# Altium PCB WL-MAIN.PcbDoc (part 2 of 4) (continued)
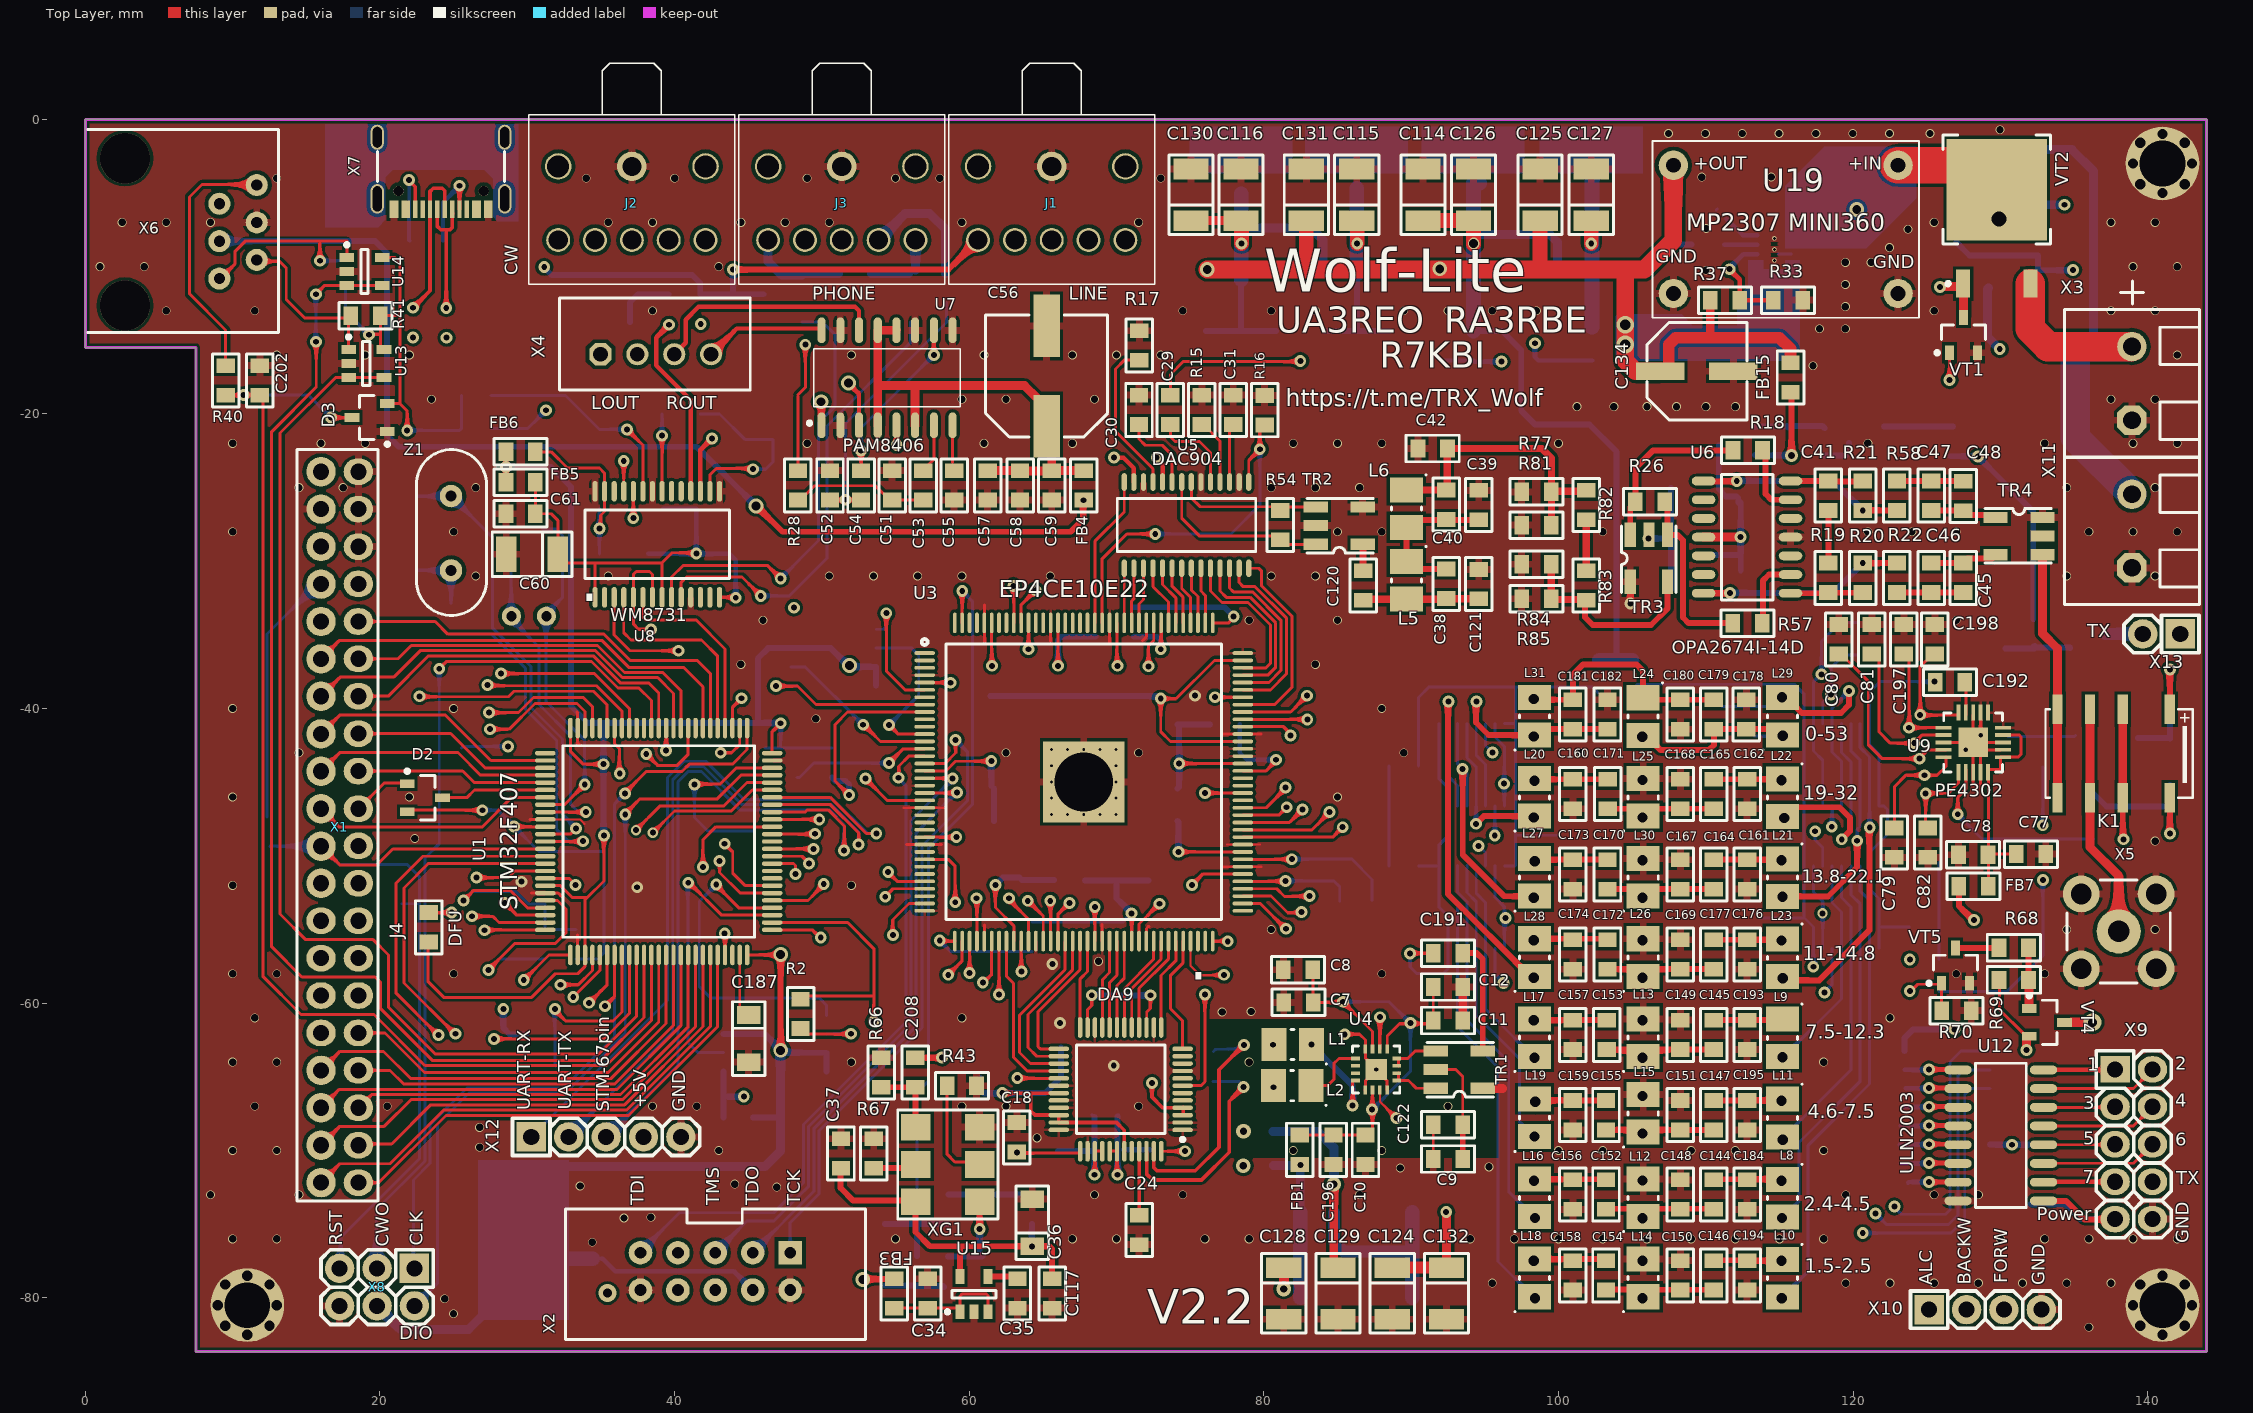
[diagram p0: Top Layer view]
## Nets (pads, with @x,y where several pads share a name; then routed paths per layer and width w, separated by ;. In a path a pad name is that pad's centre, name@x,y a point inside that pad or via, vN(x,y) a via of type N, cw(c..) or ccw(c..) an arc to the next point about the centre after c; other vN are vias at no path point) (continued)
  Layer 3 w0.2: v1(29.76,-58.435) 30.619,-57.575 58.075,-57.575 v1(58.575,-58.075)
FPGA_BUS_D4: U1.29 U3.39 | length 34.4
  Top Layer w0.2: v1(32.25,-58.75) 33.455,-58.75 34.425,-57.78 U1.29@34.425,-56.725 ; v1(60.025,-57.95) v1@60.025,-58.125 ; U3.39@60.025,-55.782 v1@60.025,-58.125 ; v1@60.025,-58.125 60.05,-58.15 60.025,-58.175 v1@60.025,-58.125
  Layer 3 w0.2: v1(32.25,-58.75) 32.275,-58.725 59.25,-58.725 v1(60.025,-57.95)
FPGA_BUS_D5: U1.30 U3.42 | length 35
  Top Layer w0.2: v1(33.125,-59.575) 34.925,-57.775 U1.30@34.925,-56.725 ; v1(60.925,-58.6) 60.925,-58.65 61.525,-58.05 U3.42@61.525,-55.782
  Layer 3 w0.2: v1(33.125,-59.575) 33.625,-59.075 60.45,-59.075 v1(60.925,-58.6)
FPGA_BUS_D6: U1.31 U3.43 | length 35.1
  Top Layer w0.2: v1(34.2,-59.975) 35.425,-58.75 U1.31@35.425,-56.725 ; v1@62.025,-59.025 U3.43@62.025,-55.782
  Layer 3 w0.2: v1(34.2,-59.975) 34.725,-59.45 61.975,-59.45 v1(62.025,-59.4)
FPGA_BUS_D7: U1.32 U3.46 | length 36
  Top Layer w0.2: v1(35.275,-60.2) 35.925,-59.55 U1.32@35.925,-56.725 ; U3.46@63.525,-55.782 63.525,-57.825 v1(63.55,-57.85)
  Layer 3 w0.2: v1@35.325,-60.15 60.075,-60.15 63,-60.15 63.55,-59.6 v1@63.55,-57.875
FPGA_BUS_SYNC: U1.18 U3.32 | length 27.3
  Top Layer w0.2: U1.18@31.225,-51.525 32.825,-51.525 v1(33.275,-51.975) ; v1@54.575,-51.2 55.107,-51.732 U3.32@56.975,-51.732
  Layer 3 w0.2: v1(33.275,-51.975) 34.334,-53.034 52.566,-53.034 v1(54.5,-51.1)
FSMC_A18: U1.60 X1.24 | length 34.7
  Top Layer w0.2: U1.60@46.625,-50.525 48.075,-50.525 48.2,-50.65 v1(48.2,-51.225)
  Layer 2 w0.2: X1.24@18.54,-51.86 24.565,-51.86 25.675,-50.75 39.145,-50.75 41.42,-48.475 45.125,-48.475 48.125,-51.475 48.2,-51.4 v1(48.2,-51.225)
FSMC_D0: U1.61 X1.23 | length 38.6
  Top Layer w0.2: U1.61@46.625,-50.025 48.65,-50.025 v1@49.25,-50.625
  Layer 2 w0.2: X1.23@16,-51.86 17.25,-50.61 25.04,-50.61 25.3,-50.35 39.05,-50.35 41.3,-48.1 46.7,-48.1 v1(49.125,-50.525)
FSMC_D1: U1.62 X1.22 | length 36.9
  Top Layer w0.2: U1.62@46.625,-49.525 v1@49.5,-49.525
  Layer 2 w0.2: X1.22@18.54,-49.32 18.83,-49.32 20.2,-47.95 26.475,-47.95 28.475,-49.95 38.955,-49.95 41.255,-47.65 47.475,-47.65 49.35,-49.525 v1(49.425,-49.525)
FSMC_D2: U1.81 X1.10 | length 29.1
  Top Layer w0.2: X1.10@18.475,-34.15 18.535,-34.09 X1.10@18.54,-34.09 23.75,-34.09 24.61,-34.95 35.2,-34.95 36.975,-36.725 41.525,-36.725 42.425,-37.625 U1.81@42.425,-41.325
FSMC_D3: U1.82 X1.11 | length 30.6
  Top Layer w0.2: X1.11@16,-36.63 17.26,-35.37 35.055,-35.37 36.885,-37.2 40.6,-37.2 41.925,-38.525 U1.82@41.925,-41.325
FSMC_D4: U1.38 X1.32 | length 27.5
  Top Layer w0.2: X1.32@18.54,-62.02 20.345,-62.02 23.025,-64.7 35.5,-64.7 38.925,-61.275 U1.38@38.925,-56.725
FSMC_D5: U1.39 X1.33 | length 30.9
  Top Layer w0.2: X1.33@16,-64.56 17.285,-63.275 20.25,-63.275 22.1,-65.125 35.675,-65.125 39.425,-61.375 U1.39@39.425,-56.725
FSMC_D6: U1.40 X1.34 | length 28.2
  Top Layer w0.2: X1.34@18.54,-64.56 20.685,-64.56 21.6,-65.475 35.95,-65.475 39.925,-61.5 U1.40@39.925,-56.725
FSMC_D7: U1.41 X1.35 | length 31.5
  Top Layer w0.2: X1.35@16,-67.1 17.25,-65.85 36.1,-65.85 40.425,-61.525 U1.41@40.425,-56.725
FSMC_D8: U1.42 X1.36 | length 29.5
  Top Layer w0.2: X1.36@18.54,-67.1 19.44,-66.2 36.325,-66.2 40.925,-61.6 U1.42@40.925,-56.725
FSMC_D9: U1.43 X1.37 | length 33.5
  Top Layer w0.2: X1.37@16.05,-69.375 16.265,-69.375 17.28,-68.36 20.29,-68.36 22.1,-66.55 36.47,-66.55 41.425,-61.595 U1.43@41.425,-56.725
FSMC_D10: U1.44 X1.38 | length 31.9
  Top Layer w0.2: X1.38@18.375,-69.9 18.72,-69.555 20.795,-69.555 23.45,-66.9 36.615,-66.9 41.925,-61.59 U1.44@41.925,-56.725
FSMC_D11: U1.45 X1.39 | length 35.7
  Top Layer w0.2: X1.39@16,-72.18 X1.39@16.327,-71.853 ; X1.39@16.275,-71.8 16.38,-71.8 17.28,-70.9 20.675,-70.9 24.325,-67.25 36.76,-67.25 42.425,-61.585 U1.45@42.425,-56.725
FSMC_D12: U1.46 X1.40 | length 34.4
  Top Layer w0.2: X1.40@17.825,-72.425 18.07,-72.18 X1.40@18.54,-72.18 19.92,-72.18 24.475,-67.625 36.88,-67.625 42.925,-61.58 U1.46@42.925,-56.725
FSMC_D13: U1.55 X1.31 | length 42.5
  Top Layer w0.2: U1.55@46.625,-53.025 49.05,-53.025 v1@50.275,-51.8
  Layer 2 w0.2: X1.31@16,-62.02 17.27,-60.75 26.525,-60.75 29.6,-57.675 44.35,-57.675 v1(50.125,-51.9)
FSMC_D14: U1.56 X1.26 | length 33.6
  Top Layer w0.2: v1(43.05,-50.35) 43.05,-51.125 44.45,-52.525 U1.56@46.625,-52.525
  Layer 2 w0.2: X1.26@18.075,-54.275 20.85,-54.275 22.8,-56.225 35.275,-56.225 41.7,-49.8 42.5,-49.8 v1(43.05,-50.35)
FSMC_D15: U1.57 X1.25 | length 37.1
  Top Layer w0.2: v1(43.4,-49.175) 43.95,-49.725 43.95,-51.175 44.8,-52.025 U1.57@46.625,-52.025
  Layer 2 w0.2: X1.25@16,-54.4 17.25,-53.15 20.9,-53.15 23.625,-55.875 35.075,-55.875 41.775,-49.175 v1(43.4,-49.175)
FSMC_NE1: U1.88 X1.14 | length 24.9
  Top Layer w0.2: X1.14@18.54,-39.16 20.565,-39.16 23.305,-36.42 34.48,-36.42 36.31,-38.25 38.225,-38.25 38.925,-38.95 U1.88@38.925,-41.325
FSMC_NOE: U1.85 X1.12 | length 26.1
  Top Layer w0.2: X1.12@18.54,-36.62 21.23,-36.62 22.13,-35.72 34.77,-35.72 36.6,-37.55 39.2,-37.55 40.425,-38.775 U1.85@40.425,-41.325
FSMC_NWE: U1.86 X1.13 | length 28.8
  Top Layer w0.2: X1.13@16,-39.17 17.3,-37.87 20.93,-37.87 22.73,-36.07 34.625,-36.07 36.455,-37.9 38.85,-37.9 39.925,-38.975 U1.86@39.925,-41.325
GB-3.3V: D2.1 X1.20 | length 4.1
  Top Layer w0.2: X1.20@18.54,-46.8 20.29,-45.05 21.7,-45.05 D2.1@21.85,-45.2
GND: C1.1 C2.1 C3.1 C4.1 C5.1 C6.2 C7.1 C8.1 C9.1 C10.1 C11.1 C12.1 C13.1 C14.1 C18.2 C19.1 C20.2 C21.1 C22.1 C23.1 C24.2 C25.1 C26.1 C27.2 C28.2 C30.2 C31.2 C32.2 C33.2 C34.2 C35.2 C36.2 C37.2 C39.1 C42.1 C43.2 C44.2 C49.1 C50.1 C51.2 C52.1 C55.2 C56.2 C57.2 C58.2 C59.2 C60.2 C61.2 C62.2 C63.2 C64.2 C65.2 C66.2 C67.1 C68.1 C69.2 C70.2 C75.2 C77.1 C78.1 C79.1 C80.1 C81.1 C82.1 C83.2 C84.2 C85.2 C86.2 C87.2 C88.2 C89.2 C90.2 C91.2 C92.2 C93.2 C94.2 C95.2 C96.2 C97.2 C98.2 C99.2 C100.2 C101.2 C102.2 C103.2 C104.2 C105.2 C106.2 C107.2 C108.2 C109.2 C110.2 C111.2 C112.2 C114.2 C115.2 C116.2 C117.2 C118.2 C119.2 C121.1 C122.2 C123.2 C124.2 C125.2 C126.2 C127.2 C128.2 C129.2 C130.2 C131.2 C132.2 C133.2 C134.2 C135.2 C136.2 C137.2 C138.2 C139.1 C140.2 C141.2 C142.2 C143.2 C148.1 C149.1 C150.1 C151.1 C156.1 C157.1 C158.1 C159.1 C160.1 C161.1 C162.1 C163.1 C167.1 C168.1 C169.1 C173.1 C174.1 C175.2 C176.1 C178.1 C180.1 C182.1 C183.2 C184.1 C185.2 C186.1 C187.2 C188.2 C189.2 C190.2 C193.1 C194.1 C195.1 C196.1 C197.1 C198.1 C199.2 C200.2 C201.1 C202.1 C203.1 C204.1 C205.2 C206.2 C207.2 C209.1 D1.4 D3.1 DA2.1 DA3.1 DA4.1 DA5.1 DA6.1 DA7.1 DA8.1 DA9.1 DA9.2@74.483,-68.1 DA9.9 DA9.14 DA9.22 DA9.30 DA9.32 DA9.33 DA9.36 DA9.38 J1.1 J2.1 J3.1 L12.1 L13.1 L14.1 L15.1 L25.1 L26.1 L30.1 pad.4 R3.1 R4.1 R6.2 R14.1 R15.1 R16.1 R17.1 R25.2 R29.2 R33.2 R36.1 R43.2 R45.1 R48.1 R50.1 R53.1 R55.1 R56.1 R59.1 R61.1 R62.1 R66.1 R67.1 R70.1 R74.1 R77.1 R78.1 R81.1 R84.1 R85.1 TR1.6 TR2.2 TR2.4 TR3.6 TR4.1 U1.10 U1.20 U1.27 U1.74 U1.99 U2.4 U3.4 U3.19 U3.22 U3.27 U3.36 U3.41 U3.48 U3.57 U3.63 U3.79 U3.82 U3.94 U3.95 U3.97 U3.108 U3.118 U3.123 U3.131 U3.140 U3.145 U4.4 U4.9 U4.12 U4.17 U5.16 U5.20 U5.26 U6.4 U7.2 U7.9 U7.11 U7.15 U8.11 U8.15 U8.22 U8.28 U9.3 U9.4 U9.7 U9.8 U9.10 U9.11 U9.12 U9.13 U9.18 U9.21 U10.8 U11.4 U11.5 U11.8 U12.8 U13.2 U14.2 U15.2 U16.8 U17.8 U18.8 U19.2 U19.4 U20.3 U20.9 VT1.2 VT3.2 VT5.2 VT7.2 VT8.2 X1.2 X1.3 X1.4 X1.6 X2.2 X2.10 X3.1 X5.2 X6.3 X7.1 X7.12 X8.6 X9.10 X10.4 X11.1 X12.5 XG1.3 | length 62.1
  Top Layer w0.15: U1.10@31.225,-47.525 32.625,-47.525 32.627,-47.523 33.573,-47.523 33.875,-47.825 ; 77.207,-50.732 U3.79@78.575,-50.732 79.843,-50.732 ; 77.507,-49.232 U3.82@78.575,-49.232 79.732,-49.232
  Top Layer w0.2: 30.175,-47.525 U1.10@31.225,-47.525 ; 30.275,-52.525 U1.20@31.225,-52.525 32.1,-52.525 32.3,-52.725 32.375,-52.725 ; 33.375,-40.225 33.425,-40.275 U1.99@33.425,-41.325 33.425,-42.35 33.6,-42.525 ; U1.27@33.425,-56.725 33.425,-55.375 ; 55.557,-46.732 U3.22@56.975,-46.732 58.257,-46.732 ; 55.757,-49.232 U3.27@56.975,-49.232 58.132,-49.232 ; U3.41@61.025,-55.782 61.025,-54.7 ; 61.025,-35.45 U3.140@61.025,-34.182 61.025,-32.975 ; 65.525,-35.4 U3.131@65.525,-34.182 ; U3.57@69.025,-55.782 69.025,-54.65 ; 69.525,-35.6 U3.123@69.525,-34.182 ; 71.775,-35.375 72.025,-35.125 U3.118@72.025,-34.182 ; U3.63@72.025,-55.782 72.025,-54.924 72.142,-54.807 72.191,-54.807 ; 77.207,-41.732 U3.97@78.575,-41.732 79.807,-41.732 ; v1@85.4,-62.1 86.5,-62.1 86.9,-62.5 86.9,-63.075 U4.4@86.875,-63.1 86.9,-63.125 86.9,-63.744 87.5,-64.344 U4.17@87.5,-64.5 ; U4.9@86.875,-65.9 86.9,-65.875 86.9,-65.256 U4.17@87.578,-64.578 ; U4.17@87.61,-64.515 88.35,-65.256 88.35,-65.875 U4.12@88.375,-65.9 ; C9.1@91.5,-70.5 C122.2@91.5,-68.25 ; U9.18@126.3,-42.3 U9.21@128.15,-42.3 ; 128.15,-45.1 U9.21@128.15,-42.3 ; U9.13@128.15,-40.45 U9.21@128.15,-42.3 ; 128.65,-45.075 U9.21@128.65,-42.8 ; U9.12@128.65,-40.45 U9.21@128.65,-41.8 U9.21@128.15,-42.3 ; U9.7@130,-42.8 U9.21@128.65,-42.8 ; U9.8@130,-42.3 U9.21@128.15,-42.3 ; U9.21@128.15,-42.3 U9.21@128.65,-42.8
  Top Layer w0.4: v1@104.868,-32.743 TR3.6@104.868,-31.388
  Top Layer w0.6: C11.1@93.5,-61.175 C12.1@93.5,-58.9 ; TR1.6@94.855,-65.775 94.88,-65.8 96.2,-65.8
  Bottom Layer w0.2: U20.9@114.918,-9.11 114.966,-9.158 U20.3@115.8,-9.158
  other v1: 69.808,-64.241 85.493,-62.111 66.168,-61.336 65.643,-57.336 37.461,-52.127 29.6,-51.75 75.325,-39.125 104.875,-32.875
  other v2: 136,-82 24.989,-81.082 24.389,-80.057 95.5,-79 119.5,-79 122.5,-79 125.5,-79 128.5,-79 131.5,-79 134.5,-79 137.5,-79 34.414,-76.232 10,-76 13,-76 55,-76 67,-76 70,-76 76,-76 79,-76 94,-76 97,-76 100,-76 103,-76 106,-76 109,-76 112,-76 115,-76 118,-76 130,-76 133,-76 136,-76 139,-76 142,-76 36.564,-74.582 38.389,-74.532 8.5,-73 14.5,-73 68.5,-73 74.5,-73 86.5,-73 119.5,-73 125.5,-73 128.5,-73 46.939,-72.482 33.589,-72.407 44.089,-72.282 89.26,-71.188 95.285,-71.113 10,-70 13,-70 43,-70 82,-70 88,-70 100,-70 103,-70 109,-70 112,-70 118,-70 26.764,-69.782 64.605,-69.141 26.764,-68.432 11.5,-67 20.5,-67 38.5,-67 41.5,-67 53.5,-67 59.5,-67 62.5,-67 71.5,-67 92.5,-67 10,-64 13,-64 52,-64 79,-64 118,-64 11.5,-61 59.5,-61 122.5,-61 77.167,-60.596 79.135,-60.563 10,-58 13,-58 25,-58 88,-58 127,-58 133,-58 68.773,-57.164 80.5,-55 134.5,-55 140.5,-55 10,-52 52,-52 140.5,-49 22.367,-48.817 10,-46 22,-46 85,-46 14.5,-43 62.5,-43 71.5,-43 89.5,-43 101.5,-43 49.592,-40.692 10,-40 25,-40 88,-40 44.5,-37 83.5,-37 46,-34 79,-34 85,-34 127,-34 26.5,-31 35.5,-31 50.5,-31 53.5,-31 56.5,-31 59.5,-31 65.5,-31 80.5,-31 83.5,-31 134.5,-31 140.5,-31 10,-28 25,-28 85,-28 88,-28 103,-28 121,-28 124,-28 127,-28 136,-28 139,-28 142,-28 14.5,-25 17.5,-25 26.5,-25 80.5,-25 83.5,-25 86.5,-25 134.5,-25 140.5,-25 10,-22 16,-22 19,-22 49,-22 61,-22 67,-22 82,-22 85,-22 88,-22 100,-22 121,-22 133,-22 139,-22 142,-22 101.257,-19.502 103.757,-19.502 106.007,-19.502 108.007,-19.502 110.007,-19.502 112.007,-19.502 23.5,-19 59.5,-19 62.5,-19 68.5,-19 137.5,-19 140.5,-19 117.278,-16.731 13,-16 19,-16 22,-16 52,-16 61,-16 67,-16 70,-16 73,-16 142,-16 117.721,-14.214 119.471,-14.214 5.5,-13 11.5,-13 38.5,-13 74.5,-13 80.5,-13 83.5,-13 89.5,-13 92.5,-13 95.5,-13 98.5,-13 125.5,-13 137.5,-13 140.5,-13 119.471,-12.714 119.471,-11.214 110.007,-10.252 1,-10 4,-10 43,-10 139,-10 142,-10 119.471,-9.714 121.221,-9.714 122.471,-8.714 123.721,-7.464 110.026,-7.414 2.5,-7 5.5,-7 8.5,-7 35.5,-7 38.5,-7 44.5,-7 47.5,-7 50.5,-7 59.5,-7 71.5,-7 125.5,-7 137.5,-7 140.5,-7 13,-4 34,-4 40,-4 49,-4 55,-4 58,-4 73,-4 109.725,-3.926 114.446,-3.914 107.471,-0.964 109.971,-0.964 112.471,-0.964 114.971,-0.964 117.471,-0.964 119.971,-0.964 122.471,-0.964 125.221,-0.964 129.971,-0.714
  other v3: 11,-82.5 141,-82.5 9.5,-81.9 12.5,-81.9 139.5,-81.9 142.5,-81.9 9,-80.5 13,-80.5 139,-80.5 143,-80.5 9.5,-79.1 12.5,-79.1 139.5,-79.1 142.5,-79.1 11,-78.5 141,-78.5 141,-5 139.5,-4.4 142.5,-4.4 139,-3 143,-3 139.5,-1.6 142.5,-1.6 141,-1
  other v4: 105.7,-77.475 105.7,-72.037 105.7,-66.3 105.7,-61.162
  other v5: 105.7,-50.287 105.7,-44.85
  other v6: 65.575,-47.182 66.675,-47.182 67.775,-47.182 68.875,-47.182 69.975,-47.182 65.575,-46.082 69.975,-46.082 65.575,-44.982 69.975,-44.982 65.575,-43.882 69.975,-43.882 65.575,-42.782 66.675,-42.782 67.775,-42.782 68.875,-42.782 69.975,-42.782
  other v8: 105.7,-55.725
  other v15: 67.775,-44.982
IN_B1: L10.1 U10.6 U10.10 | length 32.1
  Bottom Layer w0.2: v4@115.15,-80 116.95,-78.2 116.95,-69.65 121.113,-65.487 U10.10@121.113,-56.275 121.113,-53.038 120.478,-52.403 U10.6@120.478,-50.675
  other v4: 115.15,-80.025
IN_B2: L8.1 U10.5 U10.11 | length 26.3
  Bottom Layer w0.2: v4@115.225,-74.525 116.325,-73.425 116.325,-69.45 120.478,-65.297 U10.11@120.478,-56.275 120.478,-53.253 119.843,-52.618 U10.5@119.843,-50.675
  other v4: 115.175,-74.575
IN_B3: L11.1 U10.4 U10.12 | length 20.7
  Bottom Layer w0.2: v4@115.2,-69.175 119.843,-64.532 U10.12@119.843,-56.275 119.843,-53.468 119.208,-52.833 U10.4@119.208,-50.675
  other v4: 115.225,-69.275
IN_B4: L9.1 U10.3 U10.13 | length 14.9
  Bottom Layer w0.2: v4@115.25,-63.675 119.208,-59.717 U10.13@119.208,-56.275 119.208,-53.808 118.573,-53.173 U10.3@118.573,-50.675
  other v4: 115.2,-63.675
IN_B5: L23.1 U16.6 U16.10 | length 21.7
  Top Layer w0.4: L23.1@115.193,-58.192 115.451,-58.45 117.7,-58.45 121.1,-55.05 v1@121.1,-48.075
  Bottom Layer w0.2: U16.6@120.478,-41.025 120.478,-42.653 121.113,-43.288 U16.10@121.113,-46.625 121.113,-48.063 v1(121.125,-48.075)
  other v8: 115.225,-58.3
IN_B6: L21.1 U16.5 U16.11 | length 15.9
  Top Layer w0.4: L21.1@115.193,-52.755 118.295,-52.755 120.275,-50.775 v1@120.275,-49.075
  Bottom Layer w0.2: U16.5@119.843,-41.025 119.843,-42.868 120.478,-43.503 U16.11@120.478,-46.625 120.475,-46.628 120.475,-48 120.275,-48.2 v1(120.275,-48.975)
  other v5: 115.2,-52.775
IN_B7: L22.1 U16.4 U16.12 | length 15.1
  Top Layer w0.4: v5(115.325,-47.425) 116.05,-46.7 119.075,-46.7 119.775,-47.4 119.775,-48.325 119.3,-48.8 v1@119.225,-48.8
  Bottom Layer w0.2: U16.4@119.208,-41.025 119.208,-42.982 119.843,-43.617 U16.12@119.843,-46.625 119.843,-48.257 v1(119.225,-48.875)
IN_B8: C163.2 C166.1 L29.1 U16.3 U16.13 | length 19.2
  Top Layer w0.4: v5(115.175,-39.225) 115.445,-39.225 116.52,-40.3 119.175,-40.3 119.725,-39.75 v1(119.725,-38.8) v1@119.725,-38.7
  Bottom Layer w0.2: C163.2@111.1,-39.875 C166.1@113.275,-39.875 114.525,-39.875 v5(115.175,-39.225) ; U16.13@119.208,-46.625 119.208,-43.583 118.573,-42.948 U16.3@118.573,-41.025 118.573,-39.977 119.6,-38.95 v1@119.8,-38.95
IN_LPE: C192.1 U9.14 | length 2.3
  Top Layer w0.2: C192.1@127.575,-38.225 127.65,-38.3 U9.14@127.65,-40.45
IN_RX: C191.1 TR1.4 | length 7.8
  Top Layer w0.4: C191.1@93.5,-56.6 94.45,-56.6 94.855,-57.005 TR1.4@94.855,-63.235
KEY_IN_DASH: J2.2 U1.97 | length 50.7
  Top Layer w0.2: v1@27.35,-40.275 v1(27.4,-40.275) 29.4,-40.275 30.425,-39.25 33.8,-39.25 34.425,-39.875 U1.97@34.425,-41.325
  Layer 3 w0.2: v1(27.4,-40.275) 26.475,-39.35 26.475,-32.775 32.75,-26.5 32.75,-13.175 35.45,-10.475 39.825,-10.475 J2.2@42.1,-8.2
KEY_IN_DOT: J2.5 U1.98 | length 44.9
  Top Layer w0.2: v1@27.25,-41.4 28.77,-41.4 30.52,-39.65 33.375,-39.65 33.925,-40.2 U1.98@33.925,-41.325
  Layer 3 w0.2: v1(27.475,-41.4) 26.125,-40.05 26.125,-32.63 32.1,-26.655 J2.5@32.1,-8.325
LED_PW: U1.95 X1.5 | length 30.1
  Top Layer w0.2: v1@22.655,-39.2 28.725,-39.2 29.1,-38.825 34.5,-38.825 35.425,-39.75 U1.95@35.425,-41.325
  Layer 2 w0.2: X1.5@16,-29.025 17.25,-30.275 21.1,-30.275 22.693,-31.868 v1(22.693,-39.169)
LHP_OUT: J3.4 R28.1 | length 15.7
  Top Layer w0.2: R28.1@48.375,-23.85 48.375,-18.825 ; 48.375,-18.7 48.875,-18.2 v1(48.875,-15.3)
  Layer 2 w0.2: v1@48.85,-15.275 v1(48.875,-15.3)
  Layer 2 w0.4: v1@48.85,-15.275 J3.4@48.85,-8.2
LPF1: U3.76 U11.1 | length 76.1
  Top Layer w0.2: U3.76@78.575,-52.232 80.882,-52.232 81.4,-52.75 v1@83.1,-52.75
  Layer 3 w0.2: v1(83.1,-52.725) 93.4,-52.725 97.3,-56.625 113.341,-56.625 114.275,-57.559 114.275,-59.384 117.341,-62.45 119.566,-62.45 122.775,-65.659 122.775,-73.7 v1@122.75,-73.725
  Bottom Layer w0.2: v1@122.85,-73.775 122.85,-73.9 123.275,-74.325 126.275,-74.325 126.575,-74.025 126.575,-64 127.323,-63.252 U11.1@129.3,-63.252
  other v1: 122.8,-73.8
LPF2: U3.75 U11.2 | length 76.7
  Top Layer w0.2: U3.75@78.575,-52.732 80.482,-52.732 81.6,-53.85 v1@82.7,-53.85
  Layer 3 w0.2: v1(82.55,-53.8) 93.9,-53.8 97.075,-56.975 113.125,-56.975 113.875,-57.725 113.875,-59.55 117.175,-62.85 119.4,-62.85 121.525,-64.975 v1(121.525,-74.275)
  Bottom Layer w0.2: v1@121.425,-74.175 122.275,-75.025 126.475,-75.025 127.125,-74.375 127.125,-64.925 127.528,-64.522 U11.2@129.3,-64.522
LPF3: U3.74 U11.3 | length 76.9
  Top Layer w0.2: U3.74@78.575,-53.232 79.757,-53.232 81.45,-54.925 v1@81.8,-54.925
  Layer 3 w0.2: v1(81.5,-54.95) 94.555,-54.95 96.98,-57.375 113.03,-57.375 113.525,-57.87 113.525,-59.695 117.03,-63.2 119.255,-63.2 120.65,-64.595 v1@120.65,-75.65
  Bottom Layer w0.2: v1(120.65,-75.6) 126.65,-75.6 127.575,-74.675 127.575,-66.2 127.983,-65.792 U11.3@129.3,-65.792
LTC_ENABLE: U3.69 U4.11 | length 26.4
  Top Layer w0.15: U3.69@75.025,-55.782 75.025,-57.45 75.675,-58.1 77.275,-58.1 v1@77.3,-58.125 ; U4.11@87.875,-66 87.875,-66.675 88.9,-67.7 v1@88.9,-67.725
  Layer 3 w0.2: v1(77.3,-58.075) 86.65,-58.075 89,-60.425 v1(89,-67.8)
MIC: C73.2 C75.1 J1.5 R31.2 R61.2 X6.2 | length 58.9
  Top Layer w0.4: v1(43.975,-10.2) 58.6,-10.2 60.375,-8.425 J1.5@60.55,-8.425
  Layer 2 w0.3: X6.2@9.15,-5.725 9.16,-5.735 12.76,-5.735 15.075,-8.05 29.125,-8.05 v1@31.125,-10.05
  Bottom Layer w0.4: v1@31.175,-10.1 31.15,-10.075 31.65,-10.575 C73.2@36.975,-10.575 41.2,-10.575 41.742,-11.117 R31.2@41.742,-11.875 R61.2@43.883,-11.875 ; v1(43.975,-10.2) 43.975,-11.783 R61.2@43.883,-11.875 ; C75.1@46.025,-11.875 R61.2@43.883,-11.875
  other v1: 31.15,-10.025
NC: R17.2 U5.25 | length 10.6
  Top Layer w0.2: R17.2@71.55,-16.35 70.525,-16.35 69.925,-16.95 69.925,-21.175 72.475,-23.725 U5.25@72.475,-24.625
Net-3V: C20.1 C22.2 C23.2 DA9.15 DA9.23 DA9.29 L3.1 | length 34.9
  Top Layer w0.2: v1@63.225,-65.1 DA9.29@66.083,-65.1 ; DA9.23@68.033,-61.65 68.033,-60.442 68.314,-60.161 v1(68.314,-59.462) ; DA9.15@72.033,-61.65 72.052,-61.631 72.052,-60.598 72.3,-60.35 v1@72.3,-59.525
  Layer 2 w0.4: v1(72.308,-59.462) 76.6,-63.754 76.6,-69.031 v9(78.606,-71.037)
  Layer 3 w0.4: v1@63.2,-65.075 63.141,-65.016 63.141,-62.234 65.913,-59.462 v1(68.314,-59.462)
  Bottom Layer w0.4: v1(68.314,-59.462) 68.331,-59.478 72.378,-59.478 C23.2@72.4,-59.5
  other v1: 63.266,-65.07
Net-5V: C25.2 C26.2 C27.1 DA9.3 DA9.4 DA9.31 DA9.34 DA9.35 DA9.43 L4.1 | length 44.5
  Top Layer w0.25: v1(62.243,-66.105) 62.245,-66.103 64.175,-66.103 ; 64.175,-66.1 64.175,-66.103 ; DA9.34@66.083,-67.6 66.073,-67.59 64.465,-67.59 64.175,-67.3 64.175,-66.103 ; DA9.31@66.083,-66.1 66.08,-66.103 64.175,-66.103 ; DA9.34@66.125,-67.6 66.106,-67.6 66.083,-67.623 DA9.35@66.083,-68.1 70,-68.1 70.523,-68.623 70.523,-69.973 DA9.43@70.525,-69.975 ; DA9.43@70.533,-70.05 DA9.43@70.542,-70.06 ; v1@72.4,-65.45 72.4,-66.375 73.125,-67.1 DA9.4@74.483,-67.1 ; DA9.3@74.483,-67.6 74.502,-67.6 74.525,-67.577 DA9.4@74.525,-67.075
  Layer 3 w0.4: v1(62.243,-66.105) 67.22,-66.105 67.925,-65.4 v1@72.5,-65.4 ; v1(72.413,-65.412) 75.312,-65.412 v9@78.625,-68.725
  Bottom Layer w0.4: C26.2@60.75,-65.075 60.775,-65.1 60.775,-65.9 61,-66.125 62.223,-66.125 v1(62.243,-66.105) 65.145,-66.105 66.225,-65.025 C27.1@66.225,-63
  other v9: 78.614,-68.7
Net-bit1: DA9.27 U3.52 | length 11.7
  Top Layer w0.2: 63.408,-62.085 63.408,-63.351 64.156,-64.1 DA9.27@66.083,-64.1 ; 63.408,-62.046 63.408,-60.817 66.5,-57.725 U3.52@66.5,-55.85
Net-bit2: DA9.26 U3.53 | length 10.7
  Top Layer w0.2: DA9.26@65.975,-63.6 64.579,-63.6 63.984,-63.005 63.984,-62.959 63.984,-60.766 67.025,-57.725 U3.53@67.025,-55.782
Net-bit3: DA9.25 U3.54 | length 9.8
  Top Layer w0.2: DA9.25@66.081,-63.099 64.824,-63.099 64.675,-62.95 64.675,-60.575 67.525,-57.725 U3.54@67.525,-55.782
Net-bit4: DA9.24 U3.55 | length 6
  Top Layer w0.2: DA9.24@67.523,-61.659 DA9.24@67.539,-61.675 ; DA9.24@67.533,-61.65 67.533,-58.342 68.029,-57.846 U3.55@68.029,-55.896
Net-bit5: DA9.21 U3.58 | length 5.8
  Top Layer w0.2: DA9.21@69.025,-61.675 DA9.21@69.033,-61.683 ; DA9.21@69.033,-61.383 69.033,-58.417 69.525,-57.925 U3.58@69.525,-55.782
Net-bit6: DA9.20 U3.59 | length 6
  Top Layer w0.2: DA9.20@69.525,-61.65 DA9.20@69.533,-61.658 ; DA9.20@69.533,-61.533 69.533,-58.592 70.025,-58.1 U3.59@70.025,-55.782
Net-bit7: DA9.19 U3.60 | length 6
  Top Layer w0.2: DA9.19@70.025,-61.8 DA9.19@70.033,-61.808 ; DA9.19@70.033,-61.608 70.033,-58.792 70.525,-58.3 U3.60@70.525,-55.782
Net-bit8: DA9.18 U3.64 | length 6.6
  Top Layer w0.2: DA9.18@70.5,-61.4 70.533,-61.367 70.533,-59.003 72.515,-57.02 72.515,-55.792 U3.64@72.525,-55.782 ; DA9.18@70.525,-61.55 70.533,-61.558 DA9.18@70.533,-61.65
Net-bit9: DA9.17 U3.65 | length 6.7
  Top Layer w0.2: DA9.17@71.025,-61.575 DA9.17@71.033,-61.583 ; DA9.17@71.033,-61.65 DA9.17@71.033,-61.583 ; U3.65@73.025,-55.782 73.015,-55.792 73.015,-57.015 71.033,-58.998 DA9.17@71.033,-61.583
Net-bit10: DA9.16 U3.66 | length 6.7
  Top Layer w0.2: DA9.16@71.5,-61.625 71.533,-61.592 71.533,-58.992 73.515,-57.01 73.515,-55.792 U3.66@73.525,-55.782 ; DA9.16@71.533,-61.65 71.533,-61.642 DA9.16@71.55,-61.625
Net-bit11: DA9.13 U3.67 | length 6
  Top Layer w0.2: DA9.13@73.025,-61.325 73.025,-58.125 74.025,-57.125 U3.67@74.025,-55.782 ; DA9.13@73.033,-61.817 DA9.13@73.05,-61.8
Net-bit12: DA9.12 U3.68 | length 8
  Top Layer w0.2: 73.675,-60.35 73.675,-58.1 74.525,-57.25 U3.68@74.525,-55.782 ; 73.683,-60.393 74.483,-61.192 DA9.12@74.483,-63.1
Net-Clock: C208.2 DA9.7 U3.89 | length 45.1
  Top Layer w0.2: DA9.7@74.775,-65.6 75.725,-65.6 76,-65.325 v1(76,-59.4) ; v1@76.382,-45.732 U3.89@78.575,-45.732
  Top Layer w0.4: C208.2@56.342,-63.706 v1@57.944,-63.706
  Layer 2 w0.2: 76,-57.925 v1(76,-45.725)
  Layer 2 w0.4: v1(58.156,-63.694) 61.831,-63.694 67.6,-57.925 76,-57.925 v1(76,-59.4)
  Bottom Layer w0.2: v1@58.075,-63.625 v1@58.156,-63.706
Net-LPF1: U12.16 X9.1 | length 4.9
  Top Layer w0.3: U12.16@132.925,-64.529 137.746,-64.529 X9.1@137.78,-64.495
Net-LPF2: U12.15 X9.2 | length 7.9
  Top Layer w0.2: U12.15@132.925,-65.799 132.925,-65.785 139.03,-65.785 X9.2@140.32,-64.495
Net-LPF3: U12.14 X9.3 | length 4.9
  Top Layer w0.2: U12.14@132.925,-67.069 137.746,-67.069 X9.3@137.78,-67.035
Net-LPF4: U12.13 X9.4 | length 7.9
  Top Layer w0.2: U12.13@132.925,-68.339 132.925,-68.325 139.03,-68.325 X9.4@140.32,-67.035
Net-LPF5: U12.12 X9.5 | length 4.9
  Top Layer w0.2: U12.12@132.925,-69.609 137.746,-69.609 X9.5@137.78,-69.575
Net-LPF6: U12.11 X9.6 | length 7.9
  Top Layer w0.2: U12.11@132.925,-70.879 132.925,-70.865 139.03,-70.865 X9.6@140.32,-69.575
Net-LPF7: U12.10@132.925,-72.149 X9.7 | length 4.7
  Top Layer w0.3: U12.10@132.925,-72.149 132.942,-72.132 137.557,-72.132 X9.7@137.625,-72.2
Net-otr: DA9.28 U3.44 | length 11.6
  Top Layer w0.2: U3.44@62.525,-55.782 62.525,-58.175 63,-58.65 63,-63.668 63.932,-64.6 DA9.28@66.083,-64.6 ; DA9.28@66.225,-64.6 DA9.28@66.25,-64.575
Net_DAC0: U3.101 U5.14 | length 13.5
  Top Layer w0.2: U3.101@78.575,-39.732 80.743,-39.732 81.9,-38.575 81.9,-33.725 80.2,-32.025 80.195,-32.025 79.85,-31.68 79.85,-30.675 79.65,-30.475 U5.14@78.975,-30.475
Net_DAC1: U3.103 U5.13 | length 12.4
  Top Layer w0.2: U5.13@78.325,-30.475 78.325,-31.45 78.6,-31.725 79.4,-31.725 81.55,-33.875 81.55,-37.625 80.443,-38.732 U3.103@78.575,-38.732
Net_DAC2: U3.104 U5.12 | length 12.1
  Top Layer w0.2: U5.12@77.675,-30.475 77.675,-31.825 77.925,-32.075 79.225,-32.075 81.15,-34 81.15,-37.425 80.343,-38.232 U3.104@78.575,-38.232
Net_DAC3: U3.105 U5.11 | length 11.7
  Top Layer w0.2: U5.11@77.025,-30.475 77.025,-32.025 77.45,-32.45 79.07,-32.45 80.8,-34.18 80.8,-37.2 80.268,-37.732 U3.105@78.575,-37.732
Net_DAC4: U3.106 U5.10 | length 11.2
  Top Layer w0.2: U5.10@76.375,-30.475 76.375,-32.025 77.15,-32.8 78.925,-32.8 80.45,-34.325 80.45,-36.925 80.143,-37.232 U3.106@78.575,-37.232
Net_DAC5: U3.110 U5.9 | length 3.8
  Top Layer w0.2: U5.9@75.725,-30.475 75.725,-32.025 76.025,-32.325 U3.110@76.025,-34.182
Net_DAC6: U3.111 U5.8 | length 3.9
  Top Layer w0.2: U5.8@75.075,-30.475 75.075,-31.95 75.525,-32.4 U3.111@75.525,-34.182
Net_DAC7: U3.112 U5.7 | length 4
  Top Layer w0.2: U5.7@74.425,-30.475 74.425,-31.85 75.025,-32.45 U3.112@75.025,-34.182
Net_DAC8: U3.113 U5.6 | length 4
  Top Layer w0.2: U5.6@73.775,-30.475 73.775,-31.7 74.525,-32.45 U3.113@74.525,-34.182
Net_DAC9: U3.114 U5.5 | length 4.1
  Top Layer w0.2: U5.5@73.125,-30.475 73.125,-31.58 74.025,-32.48 U3.114@74.025,-34.182
Net_DAC10: U3.115 U5.4 | length 4.1
  Top Layer w0.2: U5.4@72.475,-30.475 72.475,-31.725 73.525,-32.775 U3.115@73.525,-34.182
Net_DAC11: U3.119 U5.3 | length 3.8
  Top Layer w0.2: U3.119@71.525,-34.182 71.525,-32.9 71.825,-32.6 U5.3@71.825,-30.475
Net_DAC12: U3.120 U5.2 | length 3.8
  Top Layer w0.2: U3.120@71.025,-34.182 71.025,-32.7 71.175,-32.55 U5.2@71.175,-30.475
Net_DAC13: U3.121 U5.1 | length 3.7
  Top Layer w0.2: U3.121@70.525,-34.182 U5.1@70.525,-30.475
Net_DAC-CLK: U3.125 U5.28 | length 10.4
  Top Layer w0.2: U3.125@68.525,-34.182 68.525,-28.65 70.525,-26.65 U5.28@70.525,-24.625
Net_DAC-PD: R16.2 U3.124 U5.15 | length 24.4
  Top Layer w0.2: U3.124@69.025,-34.182 69.025,-29.825 70.7,-28.15 v1@72.55,-28.15 ; U5.15@78.975,-24.625 78.975,-23.175 v1@79.6,-22.55 ; v1(79.725,-22.4) 79.725,-21.075 R16.2@80.05,-20.75
  Bottom Layer w0.2: v1(72.625,-28.15) 77.775,-28.15 79.725,-26.2 v1(79.725,-22.4)
Net_PC14: C3.2 U1.8 Z2.2 | length 23.2
  Top Layer w0.2: U1.8@31.225,-46.525 32.525,-46.525 v1(33.9,-45.15)
  Bottom Layer w0.2: C3.2@31.05,-27.825 31.975,-27.825 32.4,-28.25 32.4,-32.45 31.3,-33.55 Z2.2@31.3,-33.725 ; Z2.2@31.275,-33.725 31.275,-39.525 33.9,-42.15 v1(33.9,-45.15)
Net_PC15: C4.2 U1.9 Z2.1 | length 22.2
  Top Layer w0.2: U1.9@31.225,-47.025 32.45,-47.025 v1(33.975,-47.025)
  Bottom Layer w0.2: C4.2@28.95,-30 28.9,-30.05 28.9,-33.925 30.8,-35.825 30.8,-39.725 32.95,-41.875 32.95,-46.5 33.475,-47.025 v1(33.975,-47.025)
Net_PH0: C2.2 U1.12 Z1.1 | length 30.7
  Top Layer w0.2: U1.12@31.225,-48.525 32.925,-48.525 v1@33.3,-48.15
  Bottom Layer w0.2: C2.2@22.475,-25.6 22.5,-25.575 Z1.1@24.825,-25.575 27.65,-28.4 27.65,-34.55 30.25,-37.15 30.25,-39.925 32.4,-42.075 32.4,-47.2 33.302,-48.102 v1(33.302,-48.148)
Net_PH1: C1.2 R8.1 Z1.2 | length 4.6
  Bottom Layer w0.2: C1.2@22.475,-30.6 22.5,-30.625 Z1.2@24.825,-30.625 R8.1@24.825,-32.85
NetC6_1: C6.1 FB11.2 FB12.2 U1.22 | length 16.3
  Top Layer w0.2: v1(25.675,-53.025) 26.35,-52.35 28.85,-52.35 30.025,-53.525 U1.22@31.225,-53.525
  Bottom Layer w0.2: v1(25.675,-53.025) 26.275,-52.425 29.225,-52.425 30.075,-53.275 C6.1@31.2,-53.275 31.2,-55.025 31.225,-55 FB11.2@33.3,-55
NetC7_2: C7.2 C8.2 C10.2 C11.2 C12.2 C196.2 FB1.2 U4.1 U4.3 U4.10 | length 34.1
  Top Layer w0.2: FB1.2@82.425,-68.95 C196.2@84.725,-68.95 C10.2@86.9,-68.95 ; C8.2@83.325,-57.725 83.35,-57.75 C7.2@83.35,-59.95 85.4,-59.95 87.375,-61.925 U4.3@87.375,-63 ; C10.2@87.375,-68.725 U4.10@87.375,-66 ; U4.1@88.375,-63 88.375,-62.225 89.2,-61.4 91.275,-61.4 C11.2@91.5,-61.175 C12.2@91.5,-58.9
  Bottom Layer w0.2: v1(85.375,-59.9) 88.5,-59.9 v1(89.95,-61.35) 89.95,-64.625 v1(87.35,-67.225)
NetC9_2: C9.2 C122.1 TR1.2 | length 7.6
  Top Layer w0.2: TR1.2@91.675,-64.505 93.03,-64.505 93.5,-64.975 C122.1@93.5,-68.25
  Top Layer w0.4: C9.2@93.5,-70.575 C122.1@93.5,-68.25
NetC13_2: C13.2 C16.1 C17.1 DA9.41 DA9.42 | length 8.2
  Top Layer w0.2: DA9.41@69.533,-70.05 69.553,-70.029 69.996,-70.029 DA9.42@70.025,-70 ; v1@70.025,-71.725 70.033,-71.717 DA9.42@70.033,-70.05
  Bottom Layer w0.2: C17.1@70.066,-67.684 C17.1@70.15,-67.6 ; C13.2@72.313,-69.95 C13.2@72.408,-70.045
  Bottom Layer w0.4: v1(70.066,-71.645) C17.1@70.066,-67.684 ; C16.1@70.5,-69.95 C13.2@72.313,-69.95